# Altium PCB STM32F427IIH6.PcbDoc (part 3 of 3)
Units mil, origin at the board's own origin, x right, y up, seen from the top; angles counter-clockwise.
Board outline 2283.46 x 3346.46 mil, 4 copper layers (Top Layer, GND, PWR, Bottom Layer), stack 23.756 mil thick; 202 components, 172 nets, 878 pads, 536 vias.
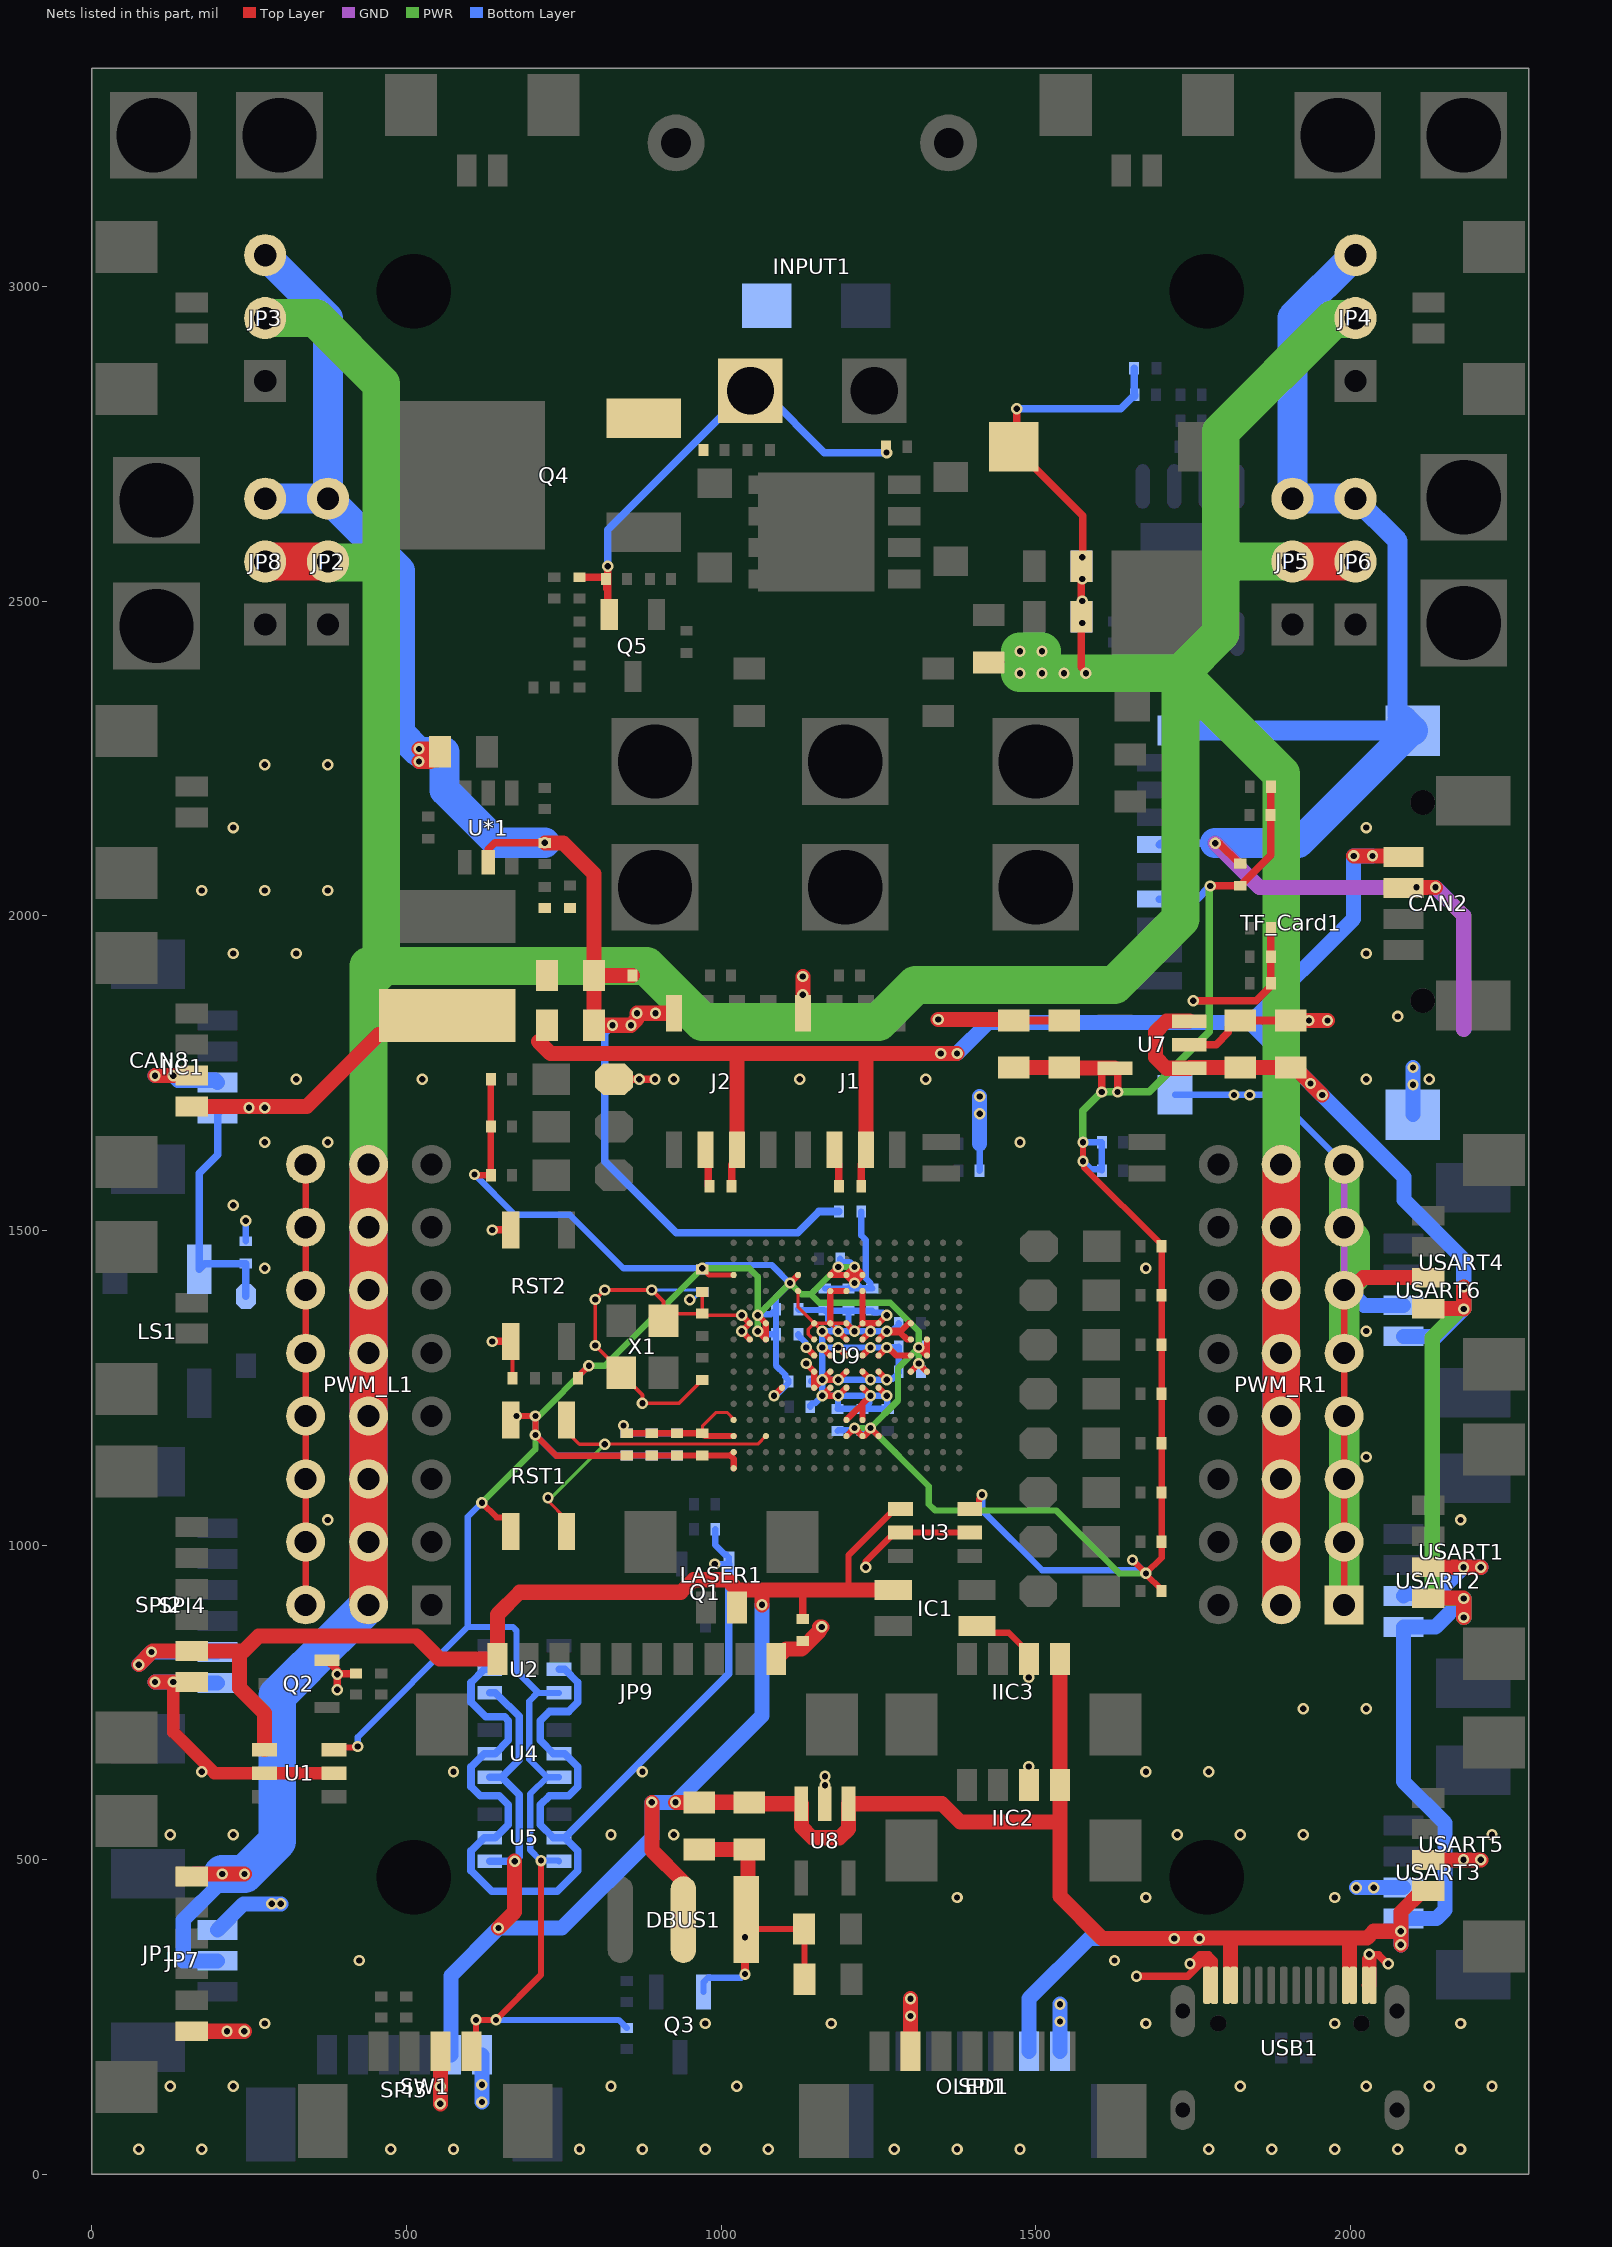
[diagram p5: the nets of this part, all layers, seen from the top]

## Via types
v1: diameter 18, hole 10, Top Layer to Bottom Layer, tented both sides, 536 vias

## Nets (pads, with @x,y where several pads share a name; then routed paths per layer and width w, separated by ;. In a path a pad name is that pad's centre, name@x,y a point inside that pad or via, vN(x,y) a via of type N, cw(c..) or ccw(c..) an arc to the next point about the centre after c; other vN are vias at no path point) (continued)
VCC5V1A: C1.2 C3.2 C4.1 C22.2 C23.2 C24.2 C27.2 C29.2 C31.2 C33.2 CAN2.4 CAN8.4 D1.2 DBUS1.2 IC1.3 IC_C1.2 IIC1.1 IIC2.4 IIC3.4 J1.3 J2.3 JP9.1 L2.2 LASER1.1 LS1.1 R43.2 SPI1.2 SPI2.5 SPI3.2 SPI4.2 U1.1 U2.1 U3.1 U4.1 U5.1 U7.1 U7.3 U8.1 U8.3 USART1.1 USART2.4 USART3.4 USART4.1 USART5.1 USART6.4 USB1.A4 USB1.A9 USB1.B4 USB1.B9 | length 11720.9
  Top Layer w10: 1202.5,928.54 1202.5,983.87 1276.03,1057.4 U3.1@1284.88,1057.4 ; IC1.3@1248.97,928.54 IC1.3@1273.5,928.54
  Top Layer w12: SPI2.5@159,831.72 160.72,830 235,830 ; C3.2@1016.81,1570 1016.81,1604.07 1025,1612.26 J2.3@1025,1628.46 ; IC_C1.2@1130,882.71 1130,928.54 ; C1.2@1222.71,1570 1222.71,1604.97 1230,1612.26 J1.3@1230,1628.46 ; USB1.A4@1803.39,300.63 1803.39,375.41 ; USB1.B9@1815.2,300.63 1815.2,375.41 ; USB1.B4@1992.36,300.63 1992.36,370 ; USB1.A9@2004.17,300.63 2004.17,370
  Top Layer w24: v1(75,810) v1(95,830) 96.72,831.72 SPI2.5@159,831.72 241.72,831.72 265.31,855.31 516.32,855.31 552.63,819 JP9.1@644.72,819 644.72,889.72 680,925 935.97,925 955.97,945 1010,945 1021.4,933.6 ; CAN8.4@159,1696.72 341.72,1696.72 455.94,1810.94 468.73,1810.94 499.06,1841.26 L2.2@565,1841.26 ; 235,830 235,772.88 274.58,733.3 U1.1@274.58,675 ; v1(646.49,391.49) 672.04,417.04 v1(672.04,497.6) ; 710,1800 729,1781 1025,1781 ; v1(890,591.32) 890,515 940,465 DBUS1.2@940,405 ; v1(927.5,591.32) C29.2@965,591.32 C33.2@1045,591.32 1047.27,589.06 U8.3@1127.6,589.06 1127.6,552.4 1145,535 1188.34,535 1202.4,549.06 U8.1@1202.4,589.06 1350.95,589.06 1380,560 1538.28,560 ; J2.3@1025,1628.46 1025,1781 ; LASER1.1@1025.15,901 1025.15,928.54 1065,928.54 ; v1(1065,905) 1065,928.54 ; J1.3@1230,1628.46 1230,1776 1225,1781 ; IC1.3@1248.97,928.54 1202.5,928.54 1130,928.54 1065,928.54 ; v1(1375,1781) v1(1349,1781) 1225,1781 ; IIC3.4@1538.28,819 IIC2.4@1538.28,619 1538.28,560 ; U7.3@1744.06,1832.4 1707.4,1832.4 1690,1815 1690,1775 1707.4,1757.6 U7.1@1744.06,1757.6 1745.14,1758.68 C27.2@1825,1758.68 C31.2@1905,1758.68 1912.5,1758.68 1918,1753.18 1918,1752 v1(1955,1715) ; v1(2005,2095) v1(2035,2095) 2082.62,2095 CAN2.4@2084.35,2093.28 ; v1(2080,365) v1(2080,386.41) ; USART5.1@2123.72,450.64 2113.87,450.64 2080,416.76 v1(2080,386.41) ; USART1.1@2123.72,915.64 2179.36,915.64 v1(2180,915) v1(2180,885) ; USART4.1@2123.72,1375.64 v1@2179.36,1375.64 ; v1(2180,1375) v1@2179.36,1375.64 ; v1(2180,1410) 2180,1376.28 v1@2179.36,1375.64 ; 1025,1781 1225,1781 ; 1538.28,560 1538.28,442.14 1605.41,375 v1(1720,375) v1(1760,375) 1760.41,375.41 1803.39,375.41 1815.2,375.41 2026.05,375.41 2037.05,386.41 v1(2080,386.41)
  PWR w24: v1(2180,885) v1(2180,915) 2144.06,915 2130,929.06 2130,1330 2175,1375 v1(2180,1375) v1(2180,1410)
  Bottom Layer w12: D1.2@245,1395.12 C4.1@245,1447.28 179.82,1447.28 LS1.1@170.96,1438.42 170.96,1590.96 200,1620 IIC1.1@200,1685.64 208.21,1693.85 248.85,1693.85 v1(250,1695) v1(275,1695) ; U5.1@632.38,497.6 v1(672.04,497.6) 679.07,504.63 679.07,603.43 U4.1@651.15,631.35 ; U4.1@632.38,631.35 U4.1@651.15,631.35 ; U2.1@632.38,765.1 641.24,765.1 662.36,743.98 663.25,743.98 679.07,728.16 679.07,659.26 U4.1@651.15,631.35
  Bottom Layer w24: v1(75,810) v1(95,830) SPI4.2@200,830 ; SPI3.2@570.79,190 570.79,315.79 v1(646.49,391.49) 746.8,391.49 890,534.7 v1(890,591.32) v1(927.5,591.32) 1065,728.82 v1(1065,905) ; v1(1349,1781) v1(1375,1781) 1424,1830 1831.47,1830 ; SPI1.2@1489.36,195.65 1489.36,279.36 1585,375 v1(1720,375) v1(1760,375) ; v1(2035,2095) v1(2005,2095) 2005,1995 1840,1830 v1(1955,1715) 2085,1585 2085,1548.58 2180,1453.58 v1(2180,1410) v1(2180,1375) 2136.72,1331.72 USART6.4@2084.35,1331.72 ; v1(2080,365) v1(2080,386.41) 2080,402.83 2083.75,406.57 USART3.4@2084.35,406.57 2136.57,406.57 2150,420 2150,558.43 2084.35,624.08 USART2.4@2084.35,870 2135,870 v1(2180,915) v1(2180,885)
  other v1: 1936.5,1733.5
VCC5V4A: C11.2 C12.2 C13.2 C14.2 C15.2 C16.2 JP1.1 JP2.2 JP3.2 JP4.2 JP5.2 JP6.2 JP7.2 JP8.2 L1.2 PWM_L1.2 PWM_L1.5 PWM_L1.8 PWM_L1.11 PWM_L1.14 PWM_L1.17 PWM_L1.20 PWM_L1.23 PWM_R1.2 PWM_R1.5 PWM_R1.8 PWM_R1.11 PWM_R1.14 PWM_R1.17 PWM_R1.20 PWM_R1.23 R35.2 | length 10554.7
  Top Layer w12: v1(1470,2805.31) 1470,2750 L1.2@1465,2745 1574.35,2635.65 1574.35,2558.25 1575,2557.6 C11.2@1572.4,2555 C15.2@1572.4,2475 1572.4,2395
  Top Layer w24: JP1.1@159,473.57 162.75,477.32 v1(207.32,477.32) v1(242.68,477.32)
  Top Layer w60: JP8.2@275.59,2562.64 JP2.2@375.59,2562.64 ; PWM_L1.2@440,905 PWM_L1.5@440,1005 PWM_L1.8@440,1105 PWM_L1.11@440,1205 PWM_L1.14@440,1305 PWM_L1.17@440,1405 PWM_L1.20@440,1505 PWM_L1.23@440,1605 ; PWM_R1.2@1890,905 PWM_R1.5@1890,1005 PWM_R1.8@1890,1105 PWM_R1.11@1890,1205 PWM_R1.14@1890,1305 PWM_R1.17@1890,1405 PWM_R1.20@1890,1505 PWM_R1.23@1890,1605 ; JP5.2@1907.87,2562.64 JP6.2@2007.87,2562.64
  PWR w60: JP3.2@275.59,2949.46 355.54,2949.46 460,2845 460,2560 ; JP2.2@375.59,2562.64 376.92,2561.32 458.68,2561.32 460,2560 ; PWM_L1.2@440,905 PWM_L1.5@440,1005 PWM_L1.8@440,1105 ; PWM_L1.20@440,1505 PWM_L1.23@440,1605 440,1895 ; v1(1474.92,2385.08) v1(1509.83,2385.08) v1(1544.75,2385.08) v1(1579.66,2385.08) 1729.92,2385.08 ; v1(1474.92,2420) v1(1509.83,2420) ; 1807.64,2562.64 JP5.2@1907.87,2562.64 ; PWM_R1.2@1890,905 PWM_R1.5@1890,1005 PWM_R1.8@1890,1105 PWM_R1.11@1890,1205 ; PWM_R1.14@1890,1305 PWM_R1.17@1890,1405 PWM_R1.20@1890,1505 PWM_R1.23@1890,1605 1890,2225 1729.92,2385.08 ; JP4.2@2007.87,2949.46 2006.55,2948.13 1973.13,2948.13 1794,2769 1794,2449.17 1729.92,2385.08 ; 440,1895 440,1920 460,1920 ; 440,1895 460,1915 460,1920 ; 460,1920 881.57,1920 970.33,1831.24 1249.98,1831.24 1308.73,1890 1625,1890 1729.92,1994.92 1729.92,2385.08 ; 460,1920 460,2560
  Bottom Layer w12: v1(1470,2805.31) 1635.1,2805.31 1653.44,2823.66 1655.41,2823.66 1657.29,2825.53 R35.2@1657.29,2827.5 1656.8,2827.99 1656.8,2869.51 C12.2@1656.31,2870
  Bottom Layer w24: JP7.2@200,339.46 145.54,339.46 145.54,404.08 207.32,465.86 v1(207.32,477.32)
  Bottom Layer w60: v1(207.32,477.32) v1(242.68,477.32) 295,529.65 295,760.81 389.43,855.24 389.7,855.24 439.46,905 PWM_L1.2@440,905 PWM_L1.5@440,1005 PWM_L1.8@440,1105 PWM_L1.11@440,1205 PWM_L1.14@440,1305 PWM_L1.17@440,1405 PWM_L1.20@440,1505 PWM_L1.23@440,1605 ; PWM_R1.2@1890,905 PWM_R1.5@1890,1005 PWM_R1.8@1890,1105 PWM_R1.11@1890,1205 PWM_R1.14@1890,1305 PWM_R1.17@1890,1405
  other v1: 1573.7,2465 1573.7,2499.92 1573.7,2534.83 1573.7,2569.75
VCC_IN: INPUT1.2 Q4.3 Q5.2 R26.2 R27.2 R29.2 R32.2 TVS1.1 | length 778.4
  Top Layer w12: R29.2@775,2537.71 815.41,2537.71 817.29,2535.84 R26.2@817.29,2535 818.14,2534.15 818.14,2519.16 820,2519.16 ; v1(820,2555) 820,2535 820,2519.16 ; Q5.2@822.6,2478.4 820,2481 820,2519.16 ; R32.2@1262.29,2745 1263,2744.29 v1(1263,2735.8)
  Bottom Layer w12: v1(820,2555) 820,2613.31 1035.75,2829.06 1070.94,2829.06 1164.2,2735.8 v1(1263,2735.8)
VDDA: C2.2 C28.2 C32.2 C35.2 C36.2 C37.2 C38.2 C39.2 C40.2 C41.2 C42.2 C43.2 C44.2 C45.2 C46.2 C47.2 C48.2 C49.2 C50.2 C51.2 C54.2 C57.2 C58.2 R2.1 R3.1 R4.1 R5.1 R6.1 R10.2 R16.1 R17.1 R18.1 R19.1 R20.1 R21.1 R22.1 R23.1 R24.1 R25.1 R45.1 R48.2 R50.2 R52.2 R53.1 RST1.1 SW1.4 TF_Card1.4 U1.6 U2.6 U3.6 U4.6 U5.6 U7.5 U9.C1 U9.C5 U9.C7 U9.C8 U9.C9 U9.F3 U9.G3 U9.G13 U9.H13 U9.J12 U9.J13 U9.K4 U9.N8 U9.N9 U9.N10 U9.P1 U9.R1 | length 8944.6
  Top Layer w8: C54.2@970,1437.71 971.97,1437.71 C54.2@975.85,1433.84 ; C54.2@975.85,1433.82 980.53,1429.13 U9.C1@1020,1429.13
  Top Layer w10: U1.6@384.81,675 388.28,678.47 420.97,678.47 v1(422.5,680) ; SW1.4@603.26,195.65 610.59,202.98 v1(610.59,245.59) v1(642.5,245.59) 713.79,316.88 v1(713.79,498.71) ; v1(608.26,1588.91) 609.35,1587.82 R25.1@634.25,1587.82 R24.1@634.25,1665 R45.1@634.25,1740 ; v1@620,1070 v1(620,1067.44) 643.45,1043.99 656.93,1043.99 665.71,1035.21 RST1.1@665.71,1021.73 ; RST1.1@665.71,1198.9 671.81,1205 v1(675,1205) v1(705,1205) v1(705,1175) 738,1142 849.71,1142 C57.2@850,1142.29 C58.2@890,1142.29 C51.2@930,1142.29 C50.2@970,1142.29 1014.65,1142.29 ; R48.2@772.71,1265 775.59,1267.87 775.59,1270.59 v1(790,1285) ; U9.R1@1020,1122.05 1020,1136.94 1014.65,1142.29 ; U9.P1@1020,1147.64 1014.65,1142.29 ; v1(1058.39,1339.57) U9.G3@1071.18,1326.77 U9.F3@1071.18,1352.36 v1(1058.39,1365.16) ; v1(1083.98,1237.2) U9.K4@1096.77,1250 ; v1(1109.57,1416.34) U9.C5@1122.36,1429.13 ; v1(1186.34,1441.93) U9.C7@1173.54,1429.13 U9.C8@1199.13,1429.13 ; U9.N8@1199.13,1173.23 v1(1211.93,1186.02) U9.N9@1224.72,1173.23 1227.14,1173.23 1235.99,1182.08 1235.99,1182.33 1238.48,1184.82 1238.73,1184.82 U9.N10@1250.31,1173.23 ; U9.J12@1301.5,1275.59 v1(1314.29,1288.39) U9.J13@1327.09,1275.59 ; v1(1314.29,1313.98) U9.H13@1327.09,1301.18 U9.G13@1327.09,1326.77 ; U3.6@1395.12,1057.4 1403.98,1057.4 1409.8,1063.23 1409.8,1073.14 1414.5,1077.84 v1(1414.5,1080) ; v1(1575,1640) v1(1575,1610) 1576.53,1608.47 1576.53,1600.44 1700,1476.97 R23.1@1700,1475 R22.1@1700,1396.71 R20.1@1700,1240.14 1700,980 v1(1675,955) ; v1(1653.79,976.21) v1(1675,955) ; R16.1@1700,927 1700,928.97 1675,953.97 v1(1675,955) ; U9.C8@1199.13,1429.13 1211.93,1429.13 ; U9.C8@1199.13,1429.13 v1(1211.93,1441.93) ; U9.C8@1199.13,1429.13 v1(1211.93,1416.34) ; v1(1211.93,1416.34) U9.C9@1224.72,1429.13 ; v1(1211.93,1416.34) 1211.93,1429.13 ; 1211.93,1429.13 U9.C9@1224.72,1429.13 ; 1211.93,1429.13 v1(1211.93,1441.93) ; v1(1211.93,1441.93) U9.C9@1224.72,1429.13
  Top Layer w12: v1(1605,1720) 1605,1752.77 1609.83,1757.6 U7.5@1625.95,1757.6 ; U7.5@1625.41,1758.14 U7.5@1625.95,1757.6 ; v1(1630,1720) 1630,1753.54 U7.5@1625.95,1757.6 ; v1(1750,1865) 1850.43,1865 1873.46,1888.03 R2.1@1873.46,1892.5 R3.1@1873.46,1935 R4.1@1873.46,1980 ; v1(1777.28,2047.28) 1777.6,2047.6 C2.2@1825,2047.6 1826.97,2047.6 1828.84,2049.48 1828.84,2051.44 1873.46,2096.07 R6.1@1873.46,2205
  Top Layer w24: C32.2@1465,1758.68 C28.2@1545,1758.68 1545.54,1758.14 U7.5@1625.41,1758.14
  PWR w10: v1(620,1067.44) 705,1152.44 v1(705,1175) v1(705,1205) 710,1205 v1(790,1285) 815,1285 v1(970,1440) 1045,1440 1058.39,1426.61 v1(1058.39,1365.16) ; v1(1058.39,1339.57) v1(1058.39,1365.16) ; v1(1211.93,1186.02) v1(1237.52,1186.02) ; v1(1211.93,1416.34) v1(1211.93,1441.93) v1(1186.34,1441.93) 1186.2,1441.93 1142.61,1398.34 ; v1(1314.29,1288.39) v1(1314.29,1313.98) ; v1(1575,1610) v1(1575,1640) ; v1(1675,955) 1632.64,955 1532.64,1055 1340,1055 1330,1065 1330,1093.54 v1(1237.52,1186.02) ; v1(1058.39,1365.16) v1(1109.57,1416.34) 1109.7,1416.34 1127.7,1398.34 1142.61,1398.34 ; 1142.61,1398.34 1156.07,1384.88 1268.84,1384.88 1314.29,1339.43 v1(1314.29,1313.98) ; v1(1237.52,1186.02) 1237.52,1186.16 1281.11,1229.75 1281.11,1280.8 v1(1314.29,1313.98)
  PWR w12: v1(1575,1640) 1575,1690 v1(1605,1720) v1(1630,1720) 1680,1720 1775.33,1815.33 1775.33,1865 ; v1(1750,1865) 1775.33,1865 ; v1(1777.28,2047.28) 1777.28,2045.65 1775.33,2043.71 1775.33,1865
  Bottom Layer w10: v1(422.5,680) 422.5,695 597.5,870 ; v1(608.26,1588.91) 672.16,1525 759.86,1525 844.86,1440 v1(970,1440) ; v1(620,1067.44) 597.5,1044.94 597.5,870 ; v1(642.5,245.59) 837.12,245.59 R10.2@850,232.71 ; v1(705,1205) v1(705,1175) 738,1142 849.72,1142 C41.2@850,1142.29 C45.2@890,1142.29 C42.2@930,1142.29 ; U5.6@742.62,497.6 741.51,498.71 v1(713.79,498.71) 696.93,515.57 696.93,604.63 U4.6@723.65,631.35 ; U4.6@742.62,631.35 U4.6@723.65,631.35 ; U2.6@742.62,765.1 708.36,765.1 ; C44.2@970,1437.71 977.28,1445 1080.77,1445 1109.43,1416.34 v1(1109.57,1416.34) 1087.29,1394.06 C36.2@1087.29,1375 C36.2@1087.29,1373.03 ; v1(1058.39,1339.57) 1060.55,1339.57 1065.12,1335 C40.2@1087.29,1335 ; v1(1058.39,1365.16) 1059.92,1366.69 1078.98,1366.69 1082.44,1370.15 1084.41,1370.15 C36.2@1087.29,1373.03 ; v1(1083.98,1237.2) 1085.51,1238.73 1087.99,1238.73 1107.29,1258.03 C37.2@1107.29,1260 1107.29,1261.97 1101.98,1267.28 1101.98,1270.52 1087.29,1285.21 C40.2@1087.29,1335 ; C49.2@1165,1407.71 C46.2@1202.5,1407.71 C46.2@1203.3,1407.71 ; C38.2@1185,1181.11 1186.29,1182.4 1206.13,1182.4 1209.76,1186.02 v1(1211.93,1186.02) 1214.09,1186.02 1216.14,1183.98 1221.85,1183.98 C39.2@1224.73,1181.11 1227.6,1183.98 1233.31,1183.98 1235.36,1186.02 v1(1237.52,1186.02) ; R53.1@1189.29,1454.72 1189.29,1452.75 1192.17,1449.88 1203.98,1449.88 v1(1211.93,1441.93) v1(1211.93,1416.34) ; C35.2@1222.71,1530 1222.71,1492.03 1230,1484.74 1230,1423.86 1237.52,1416.34 1237.52,1410.19 C47.2@1239.28,1408.43 ; v1(1414.5,1080) 1415,1079.5 1415,1055 1510,960 v1@1670,960 ; v1(1575,1610) 1588.04,1596.96 1603.04,1596.96 R52.2@1605,1595 R50.2@1605,1640 v1(1575,1640) ; v1(1653.79,976.21) v1@1670,960 ; v1(1675,955) v1@1670,960 ; 597.5,870 669.14,870 675,864.14 675,800 708.36,766.64 708.36,765.1 ; 708.36,765.1 695.07,751.81 695.07,659.93 U4.6@723.65,631.35 ; C40.2@1087.29,1335 C36.2@1087.29,1373.03 ; C46.2@1203.3,1407.71 C47.2@1240,1407.71 C47.2@1239.28,1408.43 ; C46.2@1203.3,1407.71 v1(1211.93,1416.34) ; v1(1211.93,1416.34) 1213.88,1416.34 1221.79,1408.43 C47.2@1239.28,1408.43
  Bottom Layer w12: TF_Card1.4@1696.61,2026.42 1756.42,2026.42 v1(1777.28,2047.28)
VSSA: 1.2 C1.1 C2.1 C3.1 C4.2 C23.1 C24.1 C25.1 C26.1 C27.1 C28.1 C29.1 C30.1 C31.1 C32.1 C33.1 C34.1 C35.1 C36.1 C37.1 C38.1 C39.1 C40.1 C41.1 C42.1 C43.1 C44.1 C45.1 C46.1 C47.1 C48.1 C49.1 C50.1 C51.1 C52.2 C53.2 C54.1 C55.2 C56.2 C57.1 C58.1 C59.2 CAN2.3 CAN8.3 DBUS1.1 IC1.1 IC_C1.1 IIC1.2 IIC2.3 IIC3.3 J1.2 J1.8 J2.2 J2.8 JP1.6 JP2.3 JP3.3 JP4.3 JP5.3 JP6.3 JP7.3 JP8.3 JP9.10 OLED1.2 PWM_L1.3 PWM_L1.6 PWM_L1.9 PWM_L1.12 PWM_L1.15 PWM_L1.18 PWM_L1.21 PWM_L1.24 PWM_R1.1 PWM_R1.4 PWM_R1.7 PWM_R1.10 PWM_R1.13 PWM_R1.16 PWM_R1.19 PWM_R1.22 Q1.2 Q2.2 Q3.2 R14.1 R15.1 R41.1 R44.1 R49.1 R51.1 R54.1 RST2.2 SPI1.1 SPI2.6 SPI3.1 SPI4.1 SW1.3 TF_Card1.6 TF_Card1.10 U1.2 U1.5 U2.2 U2.5 U3.2 U3.5 U4.2 U4.5 U5.2 U5.5 U7.2 U8.2 U9.D5 U9.D7 U9.D8 U9.D9 U9.F2 U9.F6 U9.F7 U9.F8 U9.F9 U9.F10 U9.F12 U9.G2 U9.G6 U9.G7 U9.G8 U9.G9 U9.G10 U9.G12 U9.H6 U9.H7 U9.H8 U9.H9 U9.H10 U9.H12 U9.J6 U9.J7 U9.J8 U9.J9 U9.J10 U9.K6 U9.K7 U9.K8 U9.K9 U9.K10 U9.M1 U9.M8 U9.M9 U9.N1 U*1.2 USART1.2 USART2.3 USART3.3 USART4.2 USART5.2 USART6.3 USB1.A1 USB1.A12 USB1.B1 USB1.B12 X1.2 X1.4 | length 17096.6
  Top Layer w5: C50.1@970,1177.72 970.35,1178.06 970.35,1188.74 992.42,1210.81 1009.36,1210.81 1020,1200.17 U9.M1@1020,1198.82 ; C54.1@970,1402.28 C56.2@970,1367.71 972.56,1365.16 v1(1032.79,1365.16) ; U9.D5@1122.36,1403.54 1122.36,1377.95 U9.F6@1147.95,1352.36 ; U9.G6@1147.95,1326.77 1146.73,1326.77 1138.5,1335 1138.5,1342.91 U9.F6@1147.95,1352.36 ; v1(1160.75,1339.57) U9.F6@1147.95,1352.36 ; v1(1186.34,1339.57) U9.F7@1173.54,1352.36 ; U9.F8@1199.13,1352.36 U9.F7@1173.54,1352.36 ; v1(1211.93,1339.57) U9.F9@1224.72,1352.36 ; U9.F6@1147.95,1352.36 U9.F7@1173.54,1352.36
  Top Layer w6: RST2.2@665.71,1323.53 668.78,1320.46 C55.2@668.78,1265 ; C59.2@970,1262.29 933.02,1225.31 v1(875,1225.31) 875,1238.23 841.54,1271.69 X1.4@841.54,1273.66 841.54,1275.63 v1(800,1317.17) v1(800,1390.31) v1(815,1405.31) v1(890,1405.31) 908.46,1386.85 X1.2@908.46,1356.34 919.84,1367.71 C56.2@970,1367.71
  Top Layer w10: PWM_L1.3@340,905 PWM_L1.6@340,1005 PWM_L1.9@340,1105 PWM_L1.12@340,1205 PWM_L1.15@340,1305 PWM_L1.18@340,1405 PWM_L1.21@340,1505 PWM_L1.24@340,1605 ; v1(845,1190) 846.53,1188.47 846.53,1180.59 849.4,1177.72 C57.1@850,1177.72 C58.1@890,1177.72 C51.1@930,1177.72 C50.1@970,1177.72 974.49,1173.23 U9.N1@1020,1173.23 ; v1(1032.79,1365.16) U9.F2@1045.59,1352.36 v1(1032.79,1339.57) U9.G2@1045.59,1326.77 ; v1(1038.04,318.36) 1038.04,403.04 DBUS1.1@1040,405 1055,390 C30.1@1131.52,390 1132.6,388.92 C34.1@1132.6,310 ; v1(1135.16,1288.39) U9.J6@1147.95,1275.59 U9.K6@1147.95,1250 v1(1160.75,1262.79) ; v1(1135.16,1313.98) U9.H6@1147.95,1301.18 ; v1(1160.75,1313.98) U9.H7@1173.54,1301.18 ; v1(1160.75,1339.57) U9.G7@1173.54,1326.77 ; U9.K7@1173.54,1250 v1(1160.75,1237.2) v1(1186.34,1237.2) U9.K8@1199.13,1250 ; U9.J7@1173.54,1275.59 v1(1160.75,1262.79) ; U9.F7@1173.54,1352.36 U9.D7@1173.54,1403.54 U9.D8@1199.13,1403.54 ; v1(1186.34,1313.98) U9.H8@1199.13,1301.18 ; v1(1186.34,1339.57) U9.G8@1199.13,1326.77 ; U9.M8@1199.13,1198.82 v1(1237.52,1237.2) ; U9.J8@1199.13,1275.59 v1(1186.34,1262.79) v1(1160.75,1262.79) ; U9.F8@1199.13,1352.36 v1(1211.93,1339.57) ; U9.M9@1224.72,1198.82 1224.72,1224.41 v1(1237.52,1237.2) ; U9.K9@1224.72,1250 v1(1237.52,1237.2) ; U9.J9@1224.72,1275.59 v1(1237.52,1262.79) ; U9.H9@1224.72,1301.18 v1(1237.52,1313.98) ; U9.G9@1224.72,1326.77 v1(1237.52,1339.57) ; U9.D9@1224.72,1403.54 U9.F9@1224.72,1352.36 U9.F10@1250.31,1352.36 v1(1263.11,1365.16) ; v1(1230,965) 1230,973.97 1276.03,1020 U3.2@1284.88,1020 U3.5@1395.12,1020 ; U9.K10@1250.31,1250 v1(1263.11,1237.2) ; U9.J10@1250.31,1275.59 v1(1263.11,1262.79) ; U9.H10@1250.31,1301.18 v1(1263.11,1313.98) 1265.28,1313.98 1278.07,1301.18 U9.H12@1301.5,1301.18 ; U9.G10@1250.31,1326.77 v1(1263.11,1339.57) ; U9.G12@1301.5,1326.77 1295.38,1326.77 1284.11,1338.04 1264.64,1338.04 v1(1263.11,1339.57) ; U9.F12@1301.5,1352.36 1298.07,1352.36 1286.81,1341.1 1264.64,1341.1 v1(1263.11,1339.57) ; IC1.1@1406.5,871.46 1417.25,860.71 1457.2,860.71 1489.06,828.84 IIC3.3@1489.06,819 ; PWM_R1.1@1990,905 PWM_R1.4@1990,1005 PWM_R1.7@1990,1105 PWM_R1.10@1990,1205 1990,1395 PWM_R1.16@1990,1405
  Top Layer w12: Q2.2@373.76,817 390,800.76 v1(390,795) ; v1(390,770) v1(390,795) ; R15.1@420,795.75 390.75,795.75 v1(390,795) ; U*1.2@630,2084.88 630,2105.31 640.44,2115.75 v1(720,2115.75) ; v1(636.47,1323.53) RST2.2@665.71,1323.53 ; v1(636.47,1500.69) RST2.2@665.71,1500.69 ; 1.2@830,1740 v1(870,1740) v1(895,1740) ; J2.2@975,1628.46 979.51,1623.96 979.51,1571.88 C3.1@981.38,1570 ; v1(1038.04,318.36) 1038.04,347.59 v1(1038.04,376.83) ; U8.2@1165,589.06 v1(1165,618.29) v1(1165,632.91) ; J1.2@1180,1628.46 1180,1612.26 1187.28,1604.98 C1.1@1187.28,1570 ; C32.1@1465,1833.48 C28.1@1545,1833.48 ; IIC2.3@1489.06,619 v1(1489.06,648.24) ; v1(1489.06,789.76) IIC3.3@1489.06,819 ; v1(1660,315) 1741.62,315 1771.89,345.27 ; U7.2@1744.05,1795 1786.52,1795 1806,1814.48 1806,1821.98 1817.5,1833.48 C27.1@1825,1833.48 C31.1@1905,1833.48 ; v1(1745,335) 1746.62,335 1760.48,348.85 1774.52,348.85 1775,348.38 ; USB1.A1@1771.89,300.63 1771.89,345.27 ; USB1.B12@1783.7,300.63 1783.61,300.72 1783.61,339.77 1775,348.38 ; v1(1785,2115.31) 1786.15,2114.17 1791.9,2114.17 1823.03,2083.03 C2.1@1825,2083.03 ; USB1.B1@2023.86,300.63 2023.95,300.72 2023.95,342.33 v1@2030,348.38 ; v1(2030,350) v1@2030,348.38 ; USB1.A12@2035.67,300.63 2035.57,300.72 2035.57,342.8 v1@2030,348.38 ; v1(2060,335) 2058.38,335 2044.52,348.85 2030.48,348.85 v1@2030,348.38 ; 1771.89,345.27 1775,348.38
  Top Layer w20: v1(129.76,782.51) 129.76,702.74 194.9,637.6 U1.2@274.58,637.6 U1.5@384.81,637.6
  Top Layer w24: v1(100.51,782.51) v1(129.76,782.51) ; v1(100.51,1745.94) v1(129.76,1745.94) CAN8.3@159,1745.94 ; JP1.6@159,227.51 v1(215,227.51) v1(242.49,227.51) ; v1(520,2245) 538.28,2245 540.6,2247.31 548.1,2247.31 553.6,2252.81 C26.1@553.6,2260.31 548.91,2265 v1(520,2265) ; v1(554.04,112.17) v1(554.04,139.65) SW1.3@554.04,195.65 ; v1(720,2115.75) 749.25,2115.75 798.33,2066.67 C23.1@798.33,1905 ; R41.1@859.25,1905 C23.1@798.33,1905 ; J2.8@925,1845 v1(895.76,1845) v1(866.51,1845) 866.51,1835.72 v1(856.82,1826.02) v1(827.58,1826.02) C24.1@798.33,1826.02 C23.1@798.33,1905 ; C29.1@965,516.52 C33.1@1045,516.52 1042.5,514.02 1042.5,407.5 DBUS1.1@1040,405 ; JP9.10@1087.64,819 1103.64,835 1128.06,835 1156.59,863.53 1156.59,870 v1(1160,870) ; J1.8@1130,1845 v1(1130,1874.24) v1(1130,1903.48) ; OLED1.2@1301.03,195.65 v1(1301.03,251.65) v1(1301.03,279.14) ; v1(1345,1835) 1463.48,1835 C32.1@1465,1833.48 ; C31.1@1905,1833.48 v1(1934.24,1833.48) v1(1963.48,1833.48) ; PWM_R1.16@1990,1395 1990.28,1395 2020.13,1424.85 USART4.2@2123.72,1424.85 ; CAN2.3@2084.35,2044.06 2085.28,2045 v1(2105,2045) v1(2135,2045) ; USART5.2@2123.72,499.85 v1(2179.72,499.85) v1(2207.2,499.85) ; USART1.2@2123.72,964.85 v1(2179.72,964.85) v1(2207.2,964.85)
  GND w10: PWM_R1.16@1990,1405 PWM_R1.19@1990,1505 PWM_R1.22@1990,1605
  GND w24: v1(1785,2115.31) 1855.31,2045 v1(2105,2045) v1(2135,2045) 2180,2000 2180,1819.31
  PWR w48: PWM_R1.1@1990,905 PWM_R1.4@1990,1005 PWM_R1.7@1990,1105 PWM_R1.10@1990,1205 ; PWM_R1.13@1990,1305 PWM_R1.16@1990,1405 1990,1408.79 2007,1425.79 2007,1488 PWM_R1.19@1990,1505 PWM_R1.22@1990,1605
  Bottom Layer w5: v1(890,1405.31) 966.97,1405.31 C44.1@970,1402.28 968.03,1402.28 958.24,1392.49 952.49,1392.49 v1(950,1390)
  Bottom Layer w10: C4.2@245,1482.71 v1(245,1515.31) ; C41.1@850,1177.72 C45.1@890,1177.72 C42.1@930,1177.72 ; Q3.2@972,290 972,305.69 978.81,312.5 1032.18,312.5 v1(1038.04,318.36) ; v1(990,970) Q1.2@1012.4,970 1012.4,980.83 1008.54,984.69 1006.22,984.69 990.75,1000.15 R14.1@990.75,1025 ; C40.1@1122.72,1335 1122.72,1333.03 1133.63,1322.12 1133.63,1315.51 v1(1135.16,1313.98) ; C36.1@1122.72,1375 1124.07,1373.64 1163.64,1373.64 C49.1@1165,1372.28 C49.1@1166.97,1372.28 ; R54.1@1141.73,1220 1141.73,1221.97 1144.61,1224.84 1148.38,1224.84 v1(1160.75,1237.2) ; C37.1@1142.72,1260 1144.11,1261.4 1159.35,1261.4 v1(1160.75,1262.79) ; v1(1263.11,1365.16) 1260.95,1365.16 1256.69,1369.41 1242.87,1369.41 C47.1@1240,1372.28 C46.1@1202.5,1372.28 ; C48.1@1282.28,1313.98 C43.1@1282.28,1275.59 1282.28,1273.62 1272.99,1264.33 1264.64,1264.33 v1(1263.11,1262.79) v1(1237.52,1262.79) v1(1186.34,1262.79) v1(1160.75,1262.79) ; C48.1@1282.28,1315 1281.77,1314.49 1263.62,1314.49 v1(1263.11,1313.98) v1(1237.52,1313.98) v1(1186.34,1313.98) v1(1160.75,1313.98) ; C53.2@1282.29,1352.36 1282.29,1350.39 1272.99,1341.1 1264.64,1341.1 v1(1263.11,1339.57) v1(1237.52,1339.57) v1(1211.93,1339.57) ; R51.1@1410.75,1595 1410.89,1595.14 1410.89,1637.71 R49.1@1411.04,1637.85 ; TF_Card1.10@1721.3,1715.39 1879.61,1715.39 PWM_R1.22@1990,1605 ; v1(1160.75,1237.2) v1(1186.34,1237.2) ; v1(1160.75,1237.2) v1(1160.75,1262.79) ; v1(1160.75,1262.79) v1(1160.75,1313.98) ; v1(1160.75,1313.98) v1(1160.75,1339.57) v1(1186.34,1339.57) ; C49.1@1166.97,1372.28 C46.1@1202.5,1372.28 ; C49.1@1166.97,1372.28 1169.84,1369.41 1169.84,1357.01 1186.34,1340.52 v1(1186.34,1339.57) ; v1(1186.34,1237.2) 1185.67,1236.54 1185.67,1217.2 C38.1@1185,1216.54 C39.1@1224.72,1216.54 C39.1@1226.69,1216.54 ; v1(1186.34,1237.2) v1(1237.52,1237.2) ; v1(1186.34,1339.57) v1(1211.93,1339.57) ; C46.1@1202.5,1372.28 1202.5,1349.41 1211.93,1339.98 v1(1211.93,1339.57) ; C39.1@1226.69,1216.54 C52.2@1265,1216.53 1264.05,1217.48 1264.05,1236.26 v1(1263.11,1237.2) v1(1237.52,1237.2) ; C39.1@1226.69,1216.54 1235.99,1225.83 1235.99,1235.67 v1(1237.52,1237.2)
  Bottom Layer w12: U2.2@632.38,802.5 623.52,802.5 602.7,781.68 602.7,750.13 625.85,726.98 656.21,726.98 662.07,721.12 662.07,689.58 641.24,668.75 U4.2@632.38,668.75 623.52,668.75 602.7,647.93 602.7,616.38 617.2,601.88 647.56,601.88 662.07,587.37 662.07,555.83 641.24,535 623.52,535 602.7,514.18 602.7,482.63 635.33,450 739.68,450 772.3,482.63 772.3,514.17 751.48,535 1012.4,795.92 Q1.2@1012.4,970 ; U2.5@742.62,802.5 751.47,802.5 772.3,781.67 772.3,750.13 757.8,735.62 727.43,735.62 712.93,721.12 712.93,689.58 733.76,668.75 U4.5@742.62,668.75 751.47,668.75 772.3,647.92 772.3,616.38 757.8,601.87 727.43,601.87 712.93,587.37 712.93,555.83 733.76,535 U5.5@742.62,535 U5.5@751.47,535 ; v1(827.58,1826.02) 815,1813.45 815,1610 928.48,1496.52 1121.52,1496.52 1155,1530 C35.1@1187.28,1530 ; TF_Card1.6@1696.61,2113.03 1698.9,2115.31 v1(1785,2115.31)
  Bottom Layer w24: v1(100.51,782.51) v1(129.76,782.51) 131.48,780.79 SPI4.1@200,780.79 ; v1(100.51,1745.94) v1(129.76,1745.94) 137.1,1738.6 196.25,1738.6 IIC1.2@200,1734.85 ; JP7.3@200,388.67 241.33,430 v1(286.04,430) v1(300.52,430) ; v1(520,2245) 538.28,2245 540.6,2247.32 548.1,2247.32 C25.1@559.1,2258.32 ; v1(520,2265) 548.91,2265 C25.1@553.6,2260.32 C25.1@553.6,2260 ; v1(620,115) v1(620,142.49) SPI3.1@620,190 ; R49.1@1410.89,1637.71 v1(1410.89,1685.22) v1(1410.89,1712.71) ; SPI1.1@1538.57,195.65 v1(1538.57,243.17) v1(1538.57,270.65) ; PWM_R1.16@1990,1405 1997.55,1405 2021.61,1380.94 USART6.3@2084.35,1380.94 ; v1(2009.35,455.79) v1(2036.83,455.79) USART3.3@2084.35,455.79 ; USART2.3@2084.35,919.21 2088.09,922.96 2137.83,922.96 v1(2179.72,964.85) v1(2207.2,964.85) ; TF_Card1.10@2099.25,1683.9 v1(2099.25,1731.41) v1(2099.25,1758.9)
  Bottom Layer w32: TF_Card1.10@1721.3,2294.13 2095.95,2294.13 TF_Card1.10@2099.1,2294.13 ; JP6.3@2007.87,2662.64 2075,2595.52 2075,2318.39 TF_Card1.10@2099.25,2294.13
  Bottom Layer w48: JP8.3@275.59,2662.64 JP2.3@375.59,2662.64 ; JP3.3@275.59,3049.46 375.59,2949.46 JP2.3@375.59,2662.64 ; C25.1@559.1,2258.32 C25.1@559.1,2260 ; v1(720,2115.75) 644.25,2115.75 560.78,2199.22 560.78,2260 C25.1@559.1,2260 ; v1(1785,2115.31) 1917.13,2115.31 2095.95,2294.13 TF_Card1.10@2099.1,2294.13 ; JP6.3@2007.87,2662.64 JP5.3@1907.87,2662.64 1907.87,2950.54 2007.33,3050 JP4.3@2007.87,3049.46 ; TF_Card1.10@2083.1,2310.13 TF_Card1.10@2099.1,2294.13 ; TF_Card1.10@2099.25,2294.13 TF_Card1.10@2099.1,2294.13 ; JP2.3@375.59,2662.64 490,2548.23 490,2290 520,2260 553.6,2260 C25.1@559.1,2260
  other v1: 75,40 175,40 475,40 575,40 775,40 875,40 975,40 1075,40 1275,40 1375,40 1475,40 1775,40 1875,40 1975,40 2075,40 2175,40 125,140 225,140 825,140 1025,140 1825,140 2025,140 2125,140 2225,140 275,240 975,240 1175,240 1675,240 1975,240 2175,240 425,340 1625,340 1375,440 1675,440 1975,440 125,540 225,540 825,540 925,540 1725,540 1825,540 1925,540 2225,540 175,640 575,640 875,640 1675,640 1775,640 1925,740 2025,740 375,1040 2175,1040 2025,1140 2025,1340 275,1440 1675,1440 225,1540 275,1640 375,1640 1475,1640 1815,1715 1840,1715 325,1740 525,1740 925,1740 1125,1740 1325,1740 2025,1740 2125,1740 2075,1840 225,1940 325,1940 2025,1940 175,2040 275,2040 375,2040 225,2140 2025,2140 275,2240 375,2240
WKUP/PA0: RST1.2 U9.N3 | length 579.7
  Top Layer w5: v1(725,1075.31) 725,1070.31 754.29,1041.02 RST1.2@754.29,1021.73 ; RST1.2@754.29,1198.9 754.29,1181.02 774.88,1160.43 ; v1(815,1160) 775.31,1160 774.88,1160.43 ; U9.N3@1071.18,1173.23 1058.39,1160.43 774.88,1160.43
  PWR w5: v1(725,1075.31) 730.31,1075.31 v1(815,1160)
pads on no net: CAN1.0 CAN2.0 CAN3.0 CAN4.0 CAN5.0 CAN6.0 CAN7.0 CAN8.0 IC1.4 IIC1.0 IIC2.0 IIC3.0 INPUT1.0 J1.5 J2.5 JP1.0 JP7.0 JP9.0 LASER1.0 LS1.3 OLED1.0 SPI1.0 SPI2.0 SPI3.0 SPI4.0 SW1.0 TF_Card1.0 TF_Card1.9 U7.4 U8.4 U9.A1 U9.A9 U9.A11 U9.B5 U9.B7 U9.B9 U9.C13 U9.D1 U9.D2 U9.D3 U9.D4 U9.D10 U9.D11 U9.D13 U9.D14 U9.E1 U9.E3 U9.E4 U9.E12 U9.E13 U9.F1 U9.F4 U9.F15 U9.G4 U9.L1 U9.M7 U9.N7 U9.P6 U9.R6 U9.R9 U9.R10 U9.R11 U9.R12 U9.R13 USART1.0 USART2.0 USART3.0 USART4.0 USART5.0 USART6.0 USB1.0 USB1.1 USB1.2 USB1.3 USB1.4 USB1.A5 USB1.A8 USB1.B5 USB1.B8

## Polygon pours and split planes (outlines as drawn)
VSSA on Bottom Layer "Bottom Layer-VSSA" (solid, remove dead copper, pour order 78): -130.46,2407.3 -130.46,-52.7 2424.54,-52.7 2649.54,172.3 2649.54,2407.3
VCC5V4A on Bottom Layer "Bottom Layer-VCC5V4A" (solid, remove dead copper, pour order 34): 1540,2585 1540,2450 1545,2445 1595,2445 1617.71,2467.71 1617.71,2567.29 1600,2585
PGND on Bottom Layer "GND-PGND" (solid, remove dead copper, pour order 62): 5,2305 581.53,2305 691.53,2195 691.53,1970 721.53,1940 1686.53,1940 1741.53,1995 1741.53,2115 1851.53,2225 2312.13,2225 2326.53,2239.4 2326.53,3400 2306.53,3420 6.53,3420 -38.47,3375 -38.47,2348.47
PVIN on Bottom Layer "Bottom Layer-PVIN 2" (solid, remove dead copper, pour order 60): 1420,2330 1420,2170 1565,2170 1585,2190 1585,2225 1675,2315 1775,2315 1805,2345 1805,2490 1795,2500 1755,2500 1735,2480 1735,2390 1715,2370 1620,2370 1580,2330
PVIN on Bottom Layer "Bottom Layer-PVIN" (solid, remove dead copper, pour order 50): 1880,3080 2015,3080 2050,3045 2050,2605 2095,2560 2300,2560 2300,3355 1880,3355
PVIN on Bottom Layer "Bottom Layer-PVIN 1" (solid, remove dead copper, pour order 44): 5,3345 5,2340 15,2330 220,2330 220,3349.67
NetC10_2 on Bottom Layer "Bottom Layer-NetC11_2" (solid, remove dead copper, pour order 28): 1805,2720.31 1805,2650.31 1815,2640.31 1855,2640.31 1855,2720.31
VCC_IN on Bottom Layer "Bottom Layer-VCC_IN" (solid, remove dead copper, pour order 4): 980,3016.31 980,2765 1150,2765 1150,3016.31
GND_IN on Bottom Layer "Bottom Layer-GND_IN" (solid, remove dead copper, pour order 0): 1150,3016.08 1150,2768.31 1312,2768.31 1312,3014.62
VSSA on Top Layer "Top Layer-VSSA" (solid, remove dead copper, pour order 76): -147.5,2420 -147.5,-70 -102.5,-115 2462.5,-115 2462.5,2310 2457.5,2315
VDDA on Top Layer "Top Layer-VDDA" (solid, remove dead copper, pour order 72): 650,1230 650,1165 692.95,1122.05 1020,1122.05 1020,1147.64 1007.64,1160 790,1160 720,1230
PGND on Top Layer "Top Layer-PGND 1" (solid, remove dead copper, pour order 66): -20,3380 -20,2370 -25,2365 75,2265 657.72,2265 780,2142.72 780,1965 850,1895 1150,1895 1225,1970 1700,1970 1777.28,2047.28 1760,2064.55 1760,2126.07 1781.07,2126.07 1855,2200 1860,2195 2315,2195 2315,3380 2300,3395 -5,3395
PGND on Top Layer "Top Layer-PGND" (solid, remove dead copper, pour order 38): 760,2460 760,2380 778.38,2380 829.3,2329.08 834.08,2333.86 1545,2333.86 1545,2665 965,2665
PVIN on Top Layer "Top Layer-PVIN 3" (solid, remove dead copper, pour order 16): 440,2840.31 440,2555.31 440,2315.31 575,2315.31 610,2280.31 610,2175.31 650,2175.31 650,2195.12 725.2,2195.12 780,2140.31 1600,2140.31 1600,2345.31 725,2345.31 720,2350.31 720,2840.31
PVIN on Top Layer "Top Layer-PVIN" (solid, remove dead copper, pour order 40): 0,2550 0,2365 110,2365 210,2265 610,2265 650,2305 650,2465 570,2465 525,2420 245,2420 235,2430 235,2510 190,2555 5,2555
NetC21_2 on Top Layer "Top Layer-NetC22_2" (solid, remove dead copper, pour order 20): 425,2220.31 425,1950.32 675,1950.31 690,1965.31 690,2050.31 627.16,2050.31 553.58,2123.9 605,2175.31 605,2220.31
VCC5V1A on Top Layer "Top Layer-VCC5V1A" (solid, remove dead copper, pour order 22): 425,1895.31 425,1775 760,1775 760,1965.31 775,1980.31 775,2025.31 700,2025.31 700,1905.31 690,1895.31
PVIN on Top Layer "Top Layer-PVIN 2" (solid, remove dead copper, pour order 18): 700,2385.31 750,2385.31 750,2490.31 656.25,2490.31
VDDA on Top Layer "Top Layer-VDDA 1" (solid, remove dead copper, pour order 70): 1430,1785 1430,1730 1560,1730 1585,1705 1645,1705 1665,1725 1665,1760 1640,1785
PGND on Top Layer "Top Layer-PGND 2" (solid, remove dead copper, pour order 64): 820,2135 820,1960 875,1905 875,1895 930,1895 1005,1970 1695,1970 1760,2035 1760,2135
VCC5V4A on Top Layer "Top Layer-VCC5V4A" (solid, remove dead copper, pour order 36): 1605,2360.31 1390,2360.31 1390,2440 1615,2440
NetC10_2 on Top Layer "Top Layer-NetC11_2" (solid, remove dead copper, pour order 32): 1620,2390.31 1770,2390.31 1775,2395.31 1775,2560.31 1810,2560.31 1829.16,2579.47 1829.16,2639.53 1855,2639.53 1855,2745.31 1810,2790.31 1620,2790.31
VCC5V4A on Top Layer "Top Layer-VCC5V4A 1" (solid, remove dead copper, pour order 30): 1425,2810.31 1425,2705.31 1530,2600.31 1530,2360.31 1605,2360.31 1610,2355.31 1610,2715.31 1500,2825.31 1440,2825.31
NetC10_2 on Top Layer "Top Layer-NetC11_2 1" (solid, remove dead copper, pour order 26): 1725,2790.31 1725,2705.31 1740,2690.31 1800,2690.31 1805,2685.31 1805,2650.31 1815,2640.31 1855,2640.31 1855,2720.31 1810,2765.31 1810,2790.31
PVIN on Top Layer "Top Layer-PVIN 1" (solid, remove dead copper, pour order 24): 1370,2345.31 1370,2140.31 1755,2140.31 1780,2165.31 1780,2210.31 1630,2210.31 1600,2240.31 1600,2345.31
GND_IN on Top Layer "Top Layer-GND_IN" (solid, remove dead copper, pour order 12): 959,2712.31 959,2659.31 1020,2659.31 1039,2640.31 1039,2503.31 1245,2503.31 1245,2713.32 960,2713.31
VCC_IN on Top Layer "Top Layer-VCC_IN" (solid, remove dead copper, pour order 10): 875,2933.31 805,2863.31 805,2722.31 961,2722.31 961,2721.31 988,2721.31 988,2759.31 996,2767.31 1097,2767.31 1113,2783.31 1113,2933.31
GND_IN on Top Layer "Top Layer-GND_IN 1" (solid, remove dead copper, pour order 6): 1122,2933.31 1122,2779.31 1097,2754.31 1066,2754.31 1063,2751.31 1063,2726.31 1039,2702.31 1039,2511.31 1047,2503.31 1245,2503.31 1245,2760.31 1255,2770.31 1311,2770.31 1311,2933.31
VDDA on PWR "PWR-VDDA" (solid, remove dead copper, pour order 84): 1763.58,2060.97 1763.58,2003.58 1470,1710 1525,1655 1710,1655 1880,1825 1880,2055
VCC5V4A on PWR "PWR-VCC5V4A" (solid, remove dead copper, pour order 82): 410,1780 1610,1780 1760,1930 1760,2065 1925,2065 1930,2070 1925,2075 1925,2255 1795,2385 1795,2410 1825,2440 1825,2545 1477.01,2545 1232.01,2300 410,2300
VDDA on PWR "PWR-VDDA 1" (solid, remove dead copper, pour order 68): -132.5,2177.5 -132.5,-38.36 2377.5,-38.36 2427.5,11.64 2402.5,36.64 2402.5,2177.5
PVIN on PWR "PWR-PVIN" (solid, remove dead copper, pour order 52): -12.5,3387.81 -12.5,2337.81 483.84,2337.81 483.84,2147.81 1670.32,2147.81 1670.32,2337.81 1435.32,2337.81 1420.32,2352.81 1420.32,2627.81 1770.32,2627.81 1770.32,2787.81 1932.61,2950.09 1948.84,2933.86 1948.84,2708.86 2093.84,2563.86 2300.32,2563.86 2300.32,3352.81 2265.32,3387.81
VCC5V4A on PWR "PWR-VCC5V4A 1" (solid, remove dead copper, pour order 80): 1445,2460 1445,2355 1460,2340 1685,2340 1710,2315 1765,2315 1795,2345 1795,2405 1825,2435 1825,2565 1790,2600 1505,2600 1505,2520
PVIN on PWR "PWR-PVIN 1" (solid, remove dead copper, pour order 42): 1810,3345 1805,3340 1805,3105 1995,3105 2070,3030 2070,2570 2280,2570 2280,3150 2085,3345
VSSA on GND "GND-VSSA" (solid, remove dead copper, pour order 48): -55,1775 -55,-135 2335,-135 2340,-130 2340,1795 2325,1810 -20,1810
VSSA on GND "GND-VSSA 1" (solid, remove dead copper, pour order 74): -95,2300 -115,2280 -115,1430 2585,1430 2620,1465 2570,1515 2570,2370
PGND on GND "GND-PGND" (solid, remove dead copper, pour order 54): -9.07,2307.12 567.46,2307.12 677.46,2197.12 677.46,1972.12 707.46,1942.12 1672.46,1942.12 1727.46,1997.12 1727.46,2117.12 1837.46,2227.12 2298.05,2227.12 2312.46,2241.52 2312.46,3402.12 2292.46,3422.12 -7.54,3422.12 -52.54,3377.12 -52.54,2350.59

## Other copper
Top Layer:
  pour cut-out: 1105.17,552.4 1105.17,495.17 1110,500 1235,500 1235,565 1230,570
  pour cut-out: 460,1610 460,1540 580,1540 600.84,1560.84 600.84,1606.81
  pour cut-out: 1774.98,2381.61 1776.26,2382.9 1802.1,2382.9 1802.1,2436.43 1790.2,2448.33
  pour cut-out: 1530,2800 1595.45,2734.55 1605.18,2734.55 1605.18,2785.7 1620,2800.51
  pour cut-out: 415.58,1946.41 415.58,1899.22 421.87,1905.51 685.78,1905.51 685.78,1945.78 690,1950
PWR:
  pour cut-out: 0,905 0,840 162.5,840
  pour cut-out: 2253,879.71 2173.1,799.81 2279.81,799.81 2290,810 2290,885
Bottom Layer:
  pour cut-out: 1578.9,2166.1 1596.4,2166.1 1618.23,2144.27 1618.23,2036.59 1651.18,2069.55 1651.18,2266.73 1641.15,2266.73 1594.42,2220 1594.42,2185 1578.9,2169.48
  pour cut-out: 1670,2707.78 1670,2655 1722.5,2655 1725,2657.5 1720,2662.5 1720,2708.77
  pour cut-out: 1670,2482.5 1670,2415 1671.8,2416.8 1718.56,2416.8 1718.56,2481.06 1720,2482.5
  pour cut-out: 1110,1080.31 1085,1055.31 1085,1041.88 1140,986.88 1140.62,987.5 1275,987.5 1275,1122.95 1211.93,1186.02 1135.16,1186.02 1110,1160.87
  pour cut-out: 1430,1490 1430,1487.29 1357.16,1414.45 1365.83,1405.77 1394.68,1405.77 1445.28,1456.38 1445.28,1502.57
  pour cut-out: 230,810 231.04,810 260.06,780.98 279.08,800 290,800 290,845 265,870 260,865 235,865
  pour cut-out: 1144.9,1111.14 1166.7,1089.34 1166.7,1080 1213.3,1080 1211.66,1081.65 1211.66,1108.44
  pour cut-out: 2095,2375 2095,2335 2335,2335 2335,2375

## Silkscreen, mask and mechanical layers (free items; w line width, h text height)
Top Overlay:
  text "H" at 755,3182.11 h50 r180
  text "H" at 1790,3182.11 h50 r180
  text "JLCJLCJLCJLC" at 992.41,3153.03 h50
  text "L" at 535,3150.14 h50
  text "1" at 770,3150 h50
  text "L" at 1575,3150.14 h50
  text "1" at 1810,3150 h50
  text "1" at 200,3075 h50 r90
  text "H" at 168.03,3065 h50 r270
  text "G" at 335,3040 h50
  text "G" at 1919.35,3040 h50
  text "L" at 2099.86,3010 h50 r90
  text "+" at 1927.9,2929.27 h50
  text "+" at 335,2927.05 h50
  text "L" at 200,2865 h50 r90
  text "H" at 2067.89,2860 h50 r270
  text "E13" at 1875,2830 h50
  text "E11" at 335,2825 h50
  text "1" at 2100,2795 h50 r90
  text "G" at 260,2720 h50
  text "G" at 360,2720 h50
  text "G" at 1890,2720 h50
  text "G" at 1995,2720 h50
  text "F15" at 240,2370 h50
  text "E9" at 345,2370 h50
  text "E14" at 1870,2370 h50
  text "F14" at 1975,2370 h50
  text "1" at 196.97,2320 h50 r90
  text "H" at 165,2300 h50 r270
  text "1" at 2100,2210 h50 r90
  text "24V" at 1005,2190 h50
  text "24V" at 1310,2190 h50
  text "L" at 196.97,2095 h50 r90
  text "H" at 2000,2005 h50 r270
  text "L" at 2031.97,1930 h50 r90
  text "L" at 235,1835 h50 r90
  text "H" at 205,1810 h50 r270
  text "G" at 325,1670 h50
  text "+" at 427.5,1670.25 h50
  text "IO" at 530,1670 h50
  text "BOOT" at 1630,1670 h50
  text "IO" at 1770,1670 h50
  text "+" at 1877.5,1670.25 h50
  text "G" at 1985,1670 h50
  text "2" at 196.97,1565 h50 r90
  text "2" at 196.97,1500 h50 r90
  text "H" at 165,1480 h50 r270
  text "RST" at 780,1465 h50
  text "USART2" at 2080,1370 h50 r90
  text "L" at 196.97,1280 h50 r90
  text "LASER" at 817.5,1067.5 h45
  text "WAKE_UP" at 810,1000 h50 r90
  text "USART1" at 2080,900 h50 r90
  text "IIC3" at 1680,780 h50
  text "SPI4" at 195,650 h50 r90
  text "ADC" at 510,615 h50
  text "IIC2" at 1680,585 h50
  text "USART3" at 2075,440 h50 r90
  text "DBUS" at 780,225 h50 r90
  text "OLED" at 1580,185 h50
  text "SW" at 320,180 h50
  text "USB" at 1855,125 h50
  text "GPIO->5V" at 197.5,12.5 h50 r90
Bottom Overlay:
  text "IIC1" at 215,1960 h50 r90
  text "UART8" at 2095,1300 h50 r90
  text "SPI6" at 220,1155 h50 r90
  text "USART6" at 2095,840 h50 r90
  text "UART7" at 2035,550 h50 r90
  text "ADC" at 225,525 h50 r90
  text "SPI5" at 340,180 h50
  text "SPI2" at 1265,180 h50
Mechanical 1:
  lines w10: 0,0 0,3346.46 2283.46,3346.46 2283.46,0 0,0
  lines w12: 0,0 0,3346.46 2283.46,3346.46 2283.46,0 0,0
Drill Drawing:
  the board outline again, w6

## Text inside footprints (layer, text, board x,y; h text height)
INPUT1: Top Overlay "+" at 988.43,2864.06 h78.74 r180
SW2: Top Overlay "ON" at 1579.86,1670.32 h39.37 r270
TF_Card1: Bottom Overlay "1" at 1785,1900.5 h30 r90; Bottom Overlay "2" at 1785,1943.5 h30 r90; Bottom Overlay "3" at 1785,1985.5 h30 r90; Bottom Overlay "4" at 1785,2032.5 h30 r90; Bottom Overlay "5" at 1785,2074.5 h30 r90; Bottom Overlay "6" at 1785,2116.5 h30 r90; Bottom Overlay "7" at 1785,2158.5 h30 r90; Bottom Overlay "8" at 1785,2202.5 h30 r90; Bottom Overlay "k" at 1785,2252.48 h30 r90
U9: Top Overlay "A" at 955,1470 h50; Top Overlay "R" at 960,1090 h50; Top Overlay "1" at 1045,1524.18 h50 r90; Top Overlay "15" at 1403.27,1524.18 h50 r90